# Allegro board RK_EVB7_RK3588_LP4XD200P232SD8_V11_20230111YWQ.brd (continued)
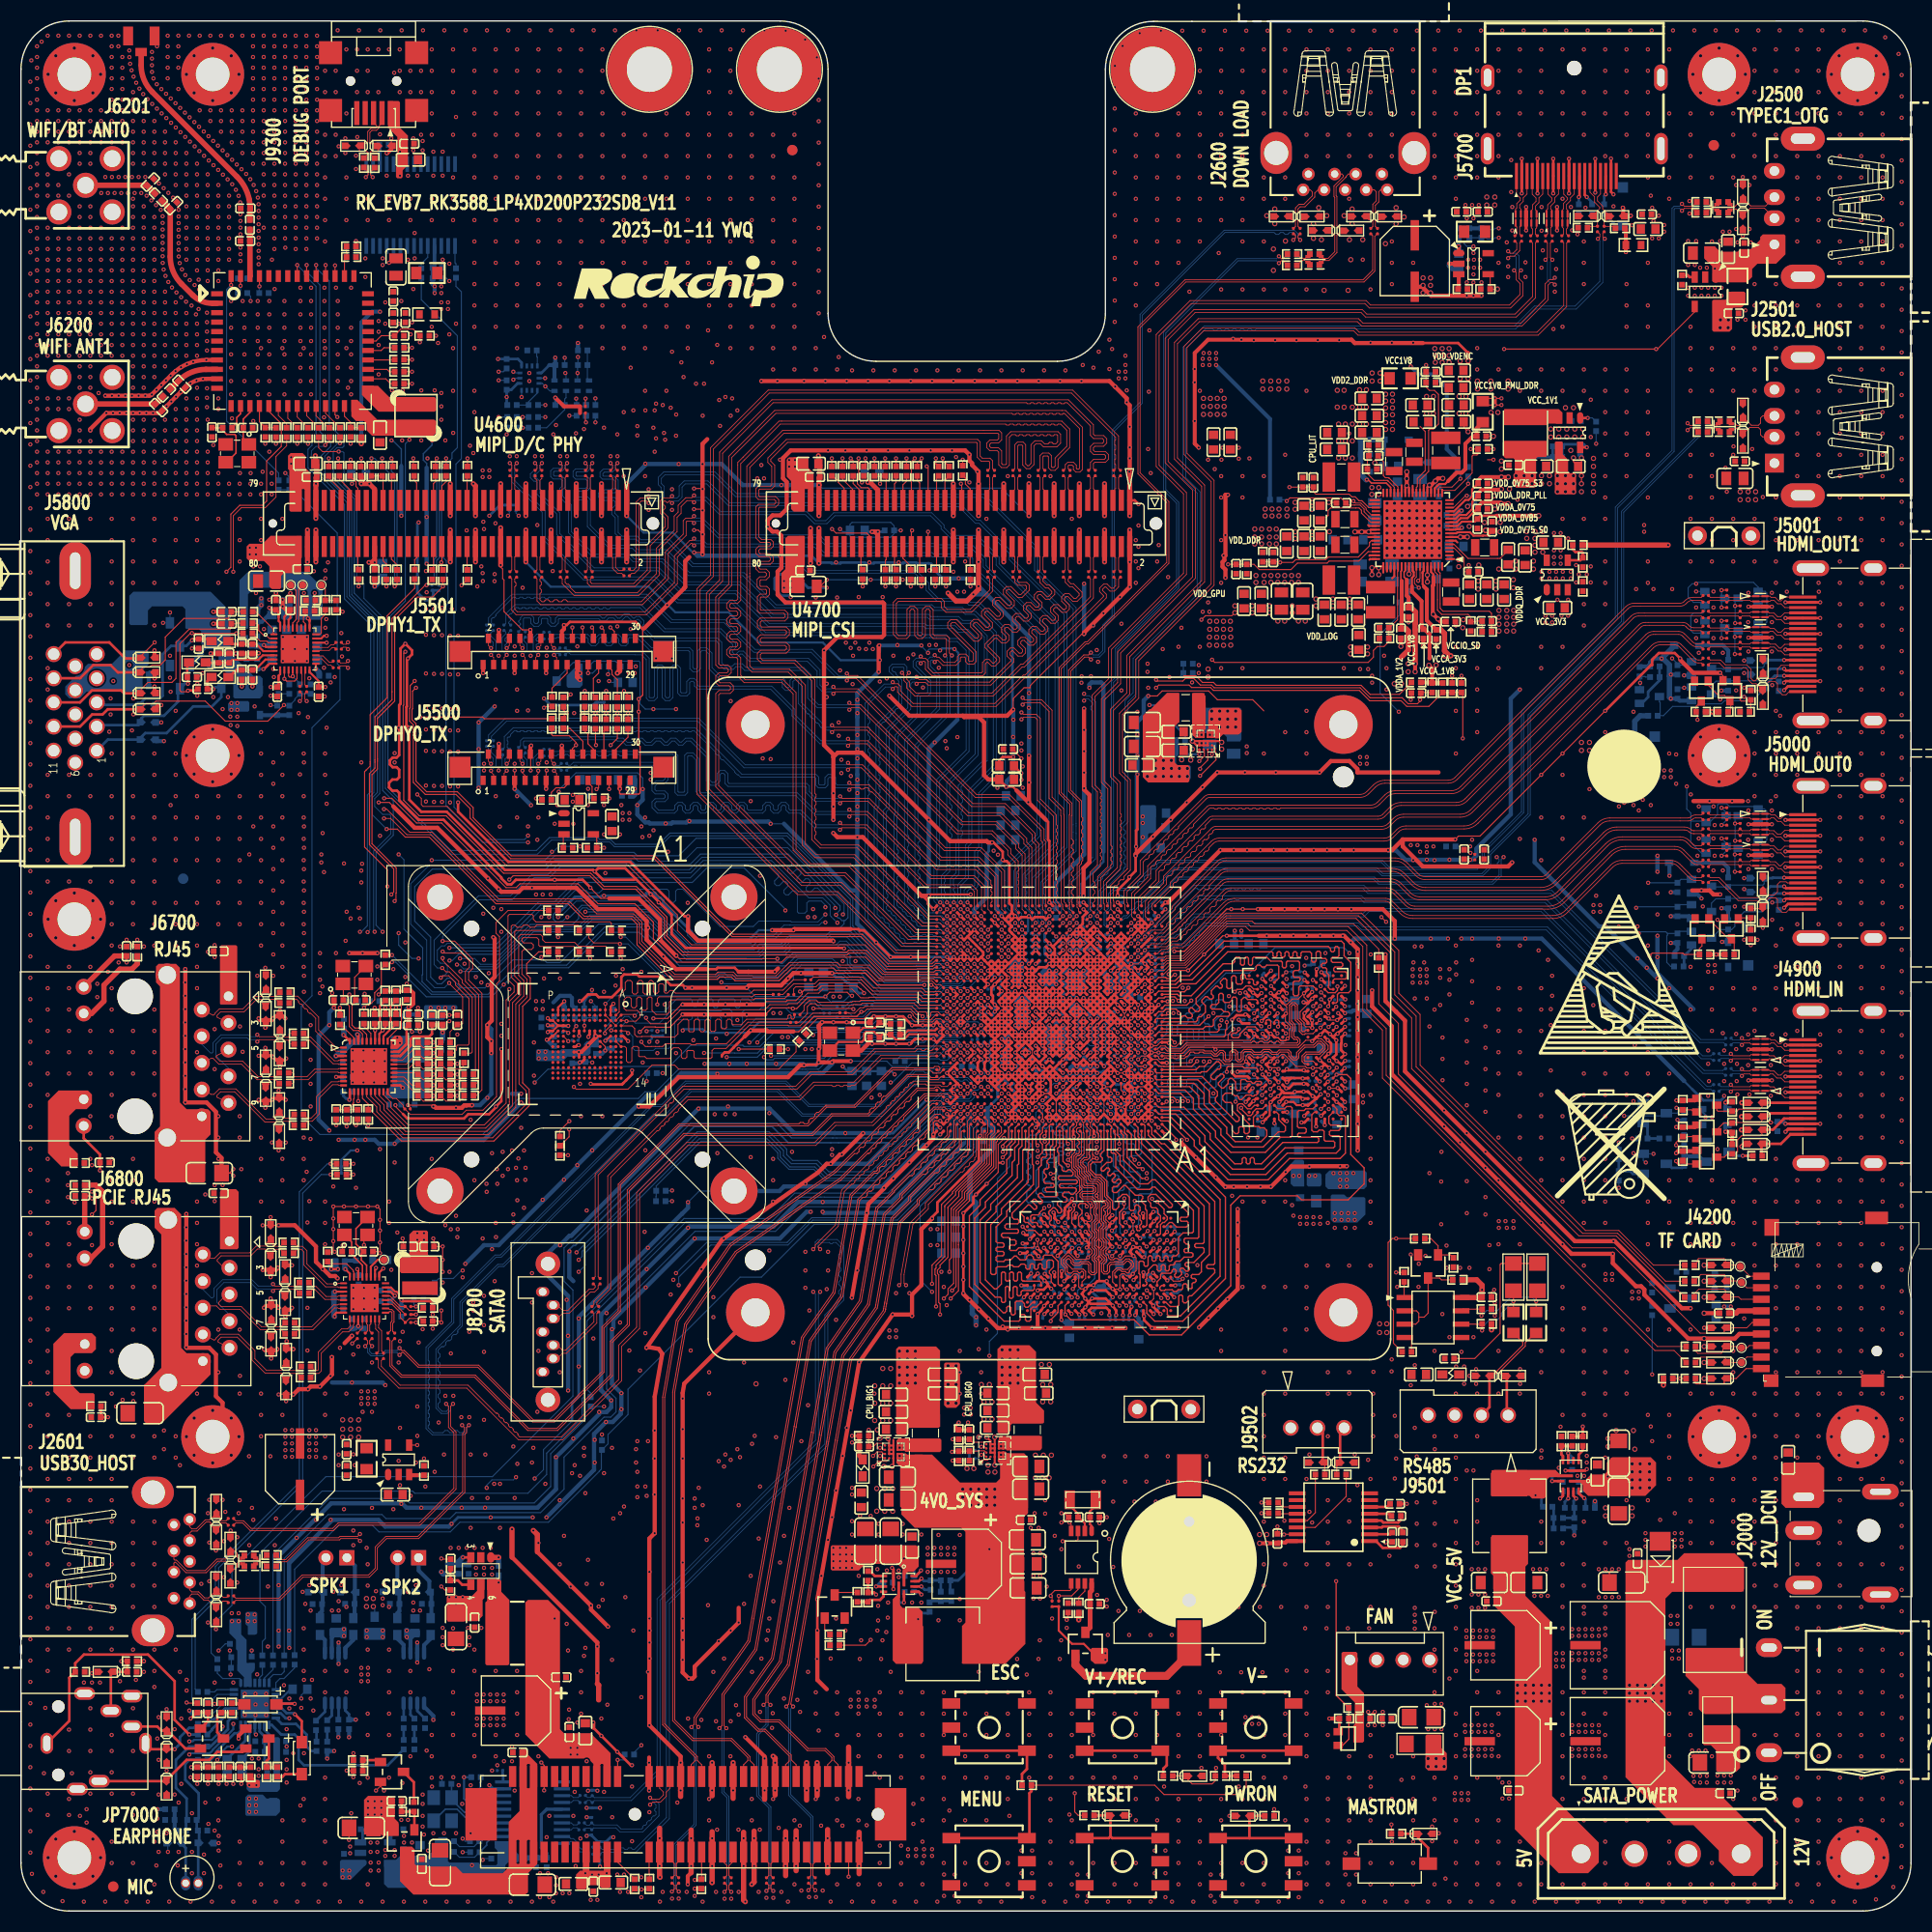
[diagram p0: board, top side]
## Routing (per net, layer and track width the routed paths; a pad name or vN(x,y) marks a point on that pad's centre or on a via; arc(x,y) is an arc through that point) (continued)
  BOTTOM w0.381: R7013.1 v1(12.98,9.69)
  BOTTOM w0.508: C7005.1 R7000.1 24.35,14.25 24.34,14.26 C7014.1 C7015.1
  vias: v1(22.42,11.98)
VCCA_1V8_S0: length 33.6
  TOP w0.203: U2200.60 132.54,127.63 132.59,127.58 132.59,127.57 132.64,127.52 132.64,127.15 132.47,126.98 132.47,126.15
  TOP w0.254: v1(97.94,91.5) U1000.AH18 ; U1000.N27 v1(92.08,81.77) 91.77,81.45 U1000.M27 v1(92.09,81.1) U1000.L27 U1000.K27 v1(92.09,79.8) ; U1000.AG13 v1(100.54,91.5) 100.22,91.18 U1000.AG14 v1(99.89,91.5) ; v1(99.22,79.82) 99.22,79.82 U1000.K16 ; U1000.H23 94.37,78.83 v1(94.04,78.5) U1000.G23 ; U1000.AG11 102.17,91.18 102.17,91.18 U1000.AG11 ; U1000.AG11 v1(101.84,91.5) ; U1000.U18 v1(97.94,85) ; U1000.M12 v1(101.84,81.75)
  TOP w0.381: R1500.2 R1511.1 ; R1500.2 134.39,118.34 v2(134.09,118.64) ; R1500.2 134.33,117.01 R1508.1 ; 132.47,126.15 132.47,125.66 133.38,124.75 133.38,122.43 133.38,122.42 133.38,122.26 C2253.1 133.65,122.08 134.04,121.7 134.04,121.7 134.15,121.59 134.15,120.77 134.15,120.77 134.15,119.3 134.14,119.29
  L6-S2 w0.089: v1(100.54,91.5) v1(101.84,91.5)
  L6-S2 w0.381: v1(92.08,81.77) 92.09,81.75 v1(92.09,81.1)
  BOTTOM w0.089: 94.62,77.33 94.63,77.33 C1813.1
  BOTTOM w0.254: 92.1,81.1 92.31,80.89 92.31,80.89 C1808.1 C1804.1 92.43,80.14 v1(92.09,79.8) 92.73,79.16 93.62,79.16 94.04,78.74 v1(94.04,78.5) 94.16,78.5 ; 92.1,81.1 v1(92.09,81.1) ; 92.1,81.1 92.46,81.46 C1816.1 92.16,81.77 v1(92.08,81.77) 92.38,82.07 C1104.1 ; C1812.1 94.44,78.78 94.16,78.5 ; C1501.1 98.23,91.2 98.22,91.2 97.94,91.48 v1(97.94,91.5) ; C1109.1 97.74,84.8 v1(97.94,85) ; 94.62,77.33 94.62,78.04 C1800.1 94.16,78.5 ; v1(99.22,79.82) 99.19,79.82 98.84,80.17 C1217.1 98.32,80.17 98.07,79.92 ; v1(101.84,81.75) 101.85,81.75 C1214.1
  vias: v1(133.25,100.88) v1(133.88,101.39) v1(133.88,100.83) v1(134.52,101.39) v2(134.77,118.66)
VCCA_3V3_S0: length 68.6
  TOP w0.104: v1(130.01,94.21) v1(129.57,94.66)
  TOP w0.203: 133.61,126.13 133.61,126.23 133.49,126.36 133.49,127.42 133.49,127.52 133.59,127.62 U2200.63
  TOP w0.254: U1000.AE5 106.07,89.88 v1(106.39,89.55) U1000.AE4 ; v1(102.49,92.8) 102.82,92.48 U1000.AJ10
  TOP w0.381: C2257.1 133.89,122.91 133.89,125.86 133.61,126.13
  TOP w0.508: 136.04,119.55 135.57,120.02 135.57,121.67 135.21,122.03 C2257.1 ; 136.04,119.55 v2(135.57,119.55) ; 136.04,119.55 v1(136.17,119.55)
  L3-POWER1 w0.104: v1(137.82,11.22) v1(137.19,11.22) v1(137.19,10.58) v1(137.82,10.58)
  L3-POWER1 w0.381: 103.02,93.64 103.02,93.18 102.64,92.8 v1(102.49,92.8)
  L3-POWER1 w0.762: v1(129.82,119.55) 129.34,119.07 129.34,118.07 129.44,117.97 129.44,116.73 129.34,116.63 129.34,112.54 130.07,111.8 130.07,102.15 129.49,101.57 129.49,94.73 v1(129.57,94.66) v1(130.01,94.21)
  L6-S2 w0.711: 125.25,119.07 126.28,119.07 126.37,118.98 129.25,118.98 v1(129.82,119.55)
  L6-S2 w0.762: v1(129.82,119.55) v2(135.57,119.55) v1(136.17,119.55) ; v2(113.06,118.28) v2(113.06,117.52) 122.33,117.52 123.88,119.07 125.25,119.07
  BOTTOM w0.254: v1(102.49,92.8) 102.69,93 C1410.1 ; C1740.1 106.39,89.38 v1(106.39,89.55) 106.4,89.55 C1741.1
  BOTTOM w0.508: R2139.1 v1(149.9,39.02)
  vias: v1(21.74,10.71) v1(21.74,10.07) v1(21.74,9.44) v1(22.38,10.71) v1(22.38,10.07) v1(22.38,9.44) v1(136.55,11.22) v1(136.55,10.58) v1(149.76,95.8) v1(149.76,95.16) v1(150.39,95.8) v1(150.39,95.16)
VCCIO_PHY0: length 12.4
  TOP w0.203: R6728.1 v1(41.55,79.67) ; R6726.1 v1(41.55,80.69) ; R6731.1 v1(41.55,78.65) ; R6722.1 v1(41.55,77.64)
  TOP w0.254: U6700.28 36.11,81.43 36.13,81.46 36.15,81.46 37.01,82.32 37.01,82.33 37.11,82.43 37.11,83.03 37.36,83.28 38.89,83.28 39.14,83.53 C6709.1 ; R6734.1 v1(33.07,74.83)
  TOP w0.381: C6709.1 C6708.1 v1(40.16,83.67)
  BOTTOM w0.381: C6707.1 40.16,83.04
  BOTTOM w0.508: 40.16,83.04 v1(40.16,83.67) 40.16,84.17 R6727.2
VCCIO_SD_S0: length 7.1
  TOP w0.203: 134.52,127.04 134.52,127.3 134.29,127.53 U2200.65
  TOP w0.254: v1(105.09,86.3) 104.9,86.5 U1000.Y7
  TOP w0.381: 134.52,127.04 134.52,126.28 134.46,126.22 134.46,123.55 v2(134.5,123.5) v2(134.96,123.04) 135.2,122.8 C2259.1
  BOTTOM w0.254: C1302.1 v1(105.09,86.3)
VCCIO_WL: length 14.4
  TOP w0.508: R6214.1 v1(32.41,139.74)
  BOTTOM w0.381: v1(32.41,139.74) 32.41,151.3 33.43,152.31 v1(34.19,152.31)
VDD2_DDR_S3: length 71.5
  TOP w0.102: U2200.30 131.14,135.63 130.3,136.47 130.27,136.47 130.23,136.5 129.94,136.5 129.76,136.69 129.76,138.02 129.25,138.53 C2216.1
  TOP w0.254: U3800.H5 v1(120.5,84.19) ; v1(115.85,79.92) 115.91,79.98 U3800.R1 ; v1(102.13,56.81) 102.07,56.81 U3801.N12 101.96,57.44 103.38,57.44 U3801.K12 v1(103.65,56.76) ; v1(118.19,80.91) U3800.N3 ; v1(100.79,56.8) 100.77,56.8 U3801.R12 ; v1(95.4,63.58) U3801.AB4 ; U3801.H5 104.95,62.67 v1(104.67,62.4) ; v1(100.63,62.39) 100.4,62.63 U3801.R5 ; U3800.A4 v1(119.02,88.74) ; U3800.H8 122.57,84.64 122.18,85.02 122.18,85.45 v1(122.24,85.5) U3800.F8 ; U3800.R8 122.27,79.98 v1(122.17,80.08) 120.65,80.08 v1(120.55,80.18) 120.35,79.98 U3800.R5 ; U3801.F8 v1(105.96,60.09) ; v1(101.5,66.33) 101.7,66.14 U3801.N1 ; U3801.K3 103.65,64.36 103.89,64.12 v1(103.89,64.06) ; v1(123.39,89.7) 123.37,89.68 U3800.A9 ; U3801.N10 v1(102.03,59.11) 103.31,59.11 U3801.K10 v1(103.97,58.45) ; U3800.N10 v1(124.53,81.64) 124.76,81.88 124.76,82.63 v1(124.46,82.94) U3800.K10 ; U3801.N3 v1(101.38,64.69) ; v1(100.24,60.01) 100.4,60.17 U3801.R8 ; U3800.H12 v1(126.09,84.85) ; v1(116.64,83.56) U3800.K1 ; U3800.F5 v1(119.84,86.15) ; v1(100.51,66.41) 100.51,66.39 100.4,66.28 U3801.R1 ; U3801.H8 v1(105.27,60.05) ; U3801.A9 v1(109.93,59.58) ; v1(103.93,66.26) U3801.K1 ; v1(117.34,80.91) U3800.N1 ; U3801.H1 104.95,66.36 v1(105.05,66.46) ; U3800.H1 116.32,84.53 v1(115.98,84.88) ; U3800.U5 v1(120.5,78.35) 120.75,78.35 121.18,78.78 v1(122.17,78.78) 122.47,78.78 U3800.U8 ; v1(123.34,74.72) 123.34,75.4 U3800.AB9 ; v1(106.96,62.27) 106.76,62.27 U3801.F5 ; v1(126.09,83.55) U3800.K12 125.77,82.67 125.73,82.63 125.73,81.98 v1(126.1,81.61) U3800.N12 ; U3800.AB4 v1(119.37,75.02) ; v1(99.12,60.93) 99.1,60.91 U3801.U8 ; U3801.A4 v1(109.82,63.9) ; U3801.AB9 v1(95.28,59.58) ; U3800.R12 v1(126.05,80.26) ; v1(118.24,83.55) 118.27,83.52 118.27,83.52 U3800.K3 ; U3801.H12 v1(104.95,56.76) ; U3801.U5 v1(98.72,62.41)
  BOTTOM w0.254: C3863.1 109.87,63.95 v1(109.82,63.9) ; v1(123.34,74.72) 123.32,74.74 123.32,75.2 C3822.1 ; 125.19,82.21 125.31,82.08 125.63,82.08 v1(126.1,81.61) ; 125.19,82.21 125.19,82.21 v1(124.46,82.94) ; 125.19,82.21 C3811.1 125.19,82.13 124.69,81.64 v1(124.53,81.64) ; v1(122.17,80.08) 121.67,80.08 121.44,80.3 121.44,80.77 C3809.1 120.93,80.75 120.93,80.56 v1(120.55,80.18) ; C3813.1 123.94,90.18 123.47,89.7 v1(123.39,89.7) ; C3855.1 102.9,58.08 102.03,58.94 v1(102.03,59.11) ; C3855.1 102.13,57.13 v1(102.13,56.81) ; C3855.1 103.41,57.89 v1(103.97,58.45) ; C3861.1 104.93,60.4 v1(105.27,60.05) ; v1(126.09,84.85) 126.24,85 C3815.1 ; C3820.1 117.33,80.52 117.33,80.9 v1(117.34,80.91) ; C3814.1 116.87,83.33 v1(116.64,83.56) ; C3819.1 126.29,83.36 v1(126.09,83.55) ; R3807.2 116.1,79.8 115.98,79.92 v1(115.85,79.92) ; v1(99.12,60.93) 99.27,61.09 C3856.1 99.27,61.86 v1(98.72,62.41) ; v1(95.4,63.58) 95.66,63.32 C3860.1 ; C3865.1 103.73,56.67 v1(103.65,56.76) ; R3816.1 105.44,66.51 105.1,66.51 v1(105.05,66.46) ; v1(104.67,62.4) 104.67,61.57 C3854.1 ; R3806.1 v1(115.98,84.88) ; v1(103.89,64.06) 103.77,64.06 C3859.1 ; C3857.1 95.6,59.28 95.3,59.58 v1(95.28,59.58) ; C3810.1 119.47,74.91 v1(119.37,75.02) ; C3817.1 118.27,83.5 118.24,83.52 v1(118.24,83.55) ; C3862.1 105,56.7 v1(104.95,56.76) ; v1(100.63,62.39) 100.89,62.65 C3868.1 ; C3823.1 126.49,80.41 126.2,80.41 v1(126.05,80.26) ; v1(100.24,60.01) 100.63,60.4 C3858.1 ; C3867.1 110.37,59.65 109.99,59.65 v1(109.93,59.58) ; v1(100.79,56.8) 100.79,56.8 C3864.1 ; C3812.1 120.71,83.99 v1(120.5,84.19) ; R3817.2 100.51,66.26 v1(100.51,66.41) ; v1(106.96,62.27) 107.08,62.39 C3866.1 ; v1(119.02,88.74) 119.07,88.69 C3818.1
  BOTTOM w0.305: v1(122.24,85.5) 122.56,85.82 C3816.1 ; v1(120.5,78.35) 120.62,78.35 121.06,78.78 C3821.1 121.31,78.78 v1(122.17,78.78)
  vias: v1(124.99,70.27) v1(125.63,70.27) v1(125.63,69.64) v1(125.63,69) v1(126.26,70.27) v1(126.26,69.64) v1(126.26,69) v1(126.9,70.27) v2(129.96,144.46) v2(129.96,143.81) v2(129.96,143.15) v2(129.96,142.5) v2(129.96,141.75) v2(129.96,141.1) v2(130.62,144.46) v2(130.62,143.81) v2(130.62,143.15) v2(130.62,142.5) v2(130.62,141.75) v2(130.62,141.1)
VDD10_PHY0: length 18.7
  TOP w0.254: U6700.21 36.12,78.63 v1(36.35,78.4) ; U6700.3 v1(30,81.43) ; U6700.38 32.12,83.39 32.03,83.48 v1(32.04,83.48) ; U6700.8 v1(30.01,79.43)
  L6-S2 w0.508: v1(32.04,83.48) 32.04,83.23 30.24,81.43 v1(30,81.43) ; v1(36.35,78.4) 36.16,78.21 31.24,78.21 v1(30.01,79.43)
  BOTTOM w0.254: C6722.1 30.67,79.43 v1(30.01,79.43) ; v1(36.35,78.4) 36.16,78.21 35.58,78.21 C6719.1
  BOTTOM w0.508: v1(30,81.43) 30.34,81.77 C6721.1 30.63,81.83 31.52,82.72 32.06,82.72 C6723.1 32.11,83.41 v1(32.04,83.48)
VDD10_PHY1:
  vias: v1(37.74,64.56) v1(37.74,63.92) v1(38.38,64.56) v1(38.38,63.92)
VDD10_RTL: length 7.6
  TOP w0.203: v1(29.87,56.62) 29.87,56.81 30.05,56.98 U6800.8 ; v1(32.03,61.13) 32.12,61.04 U6800.30 ; v1(35.61,58.61) 35.57,58.61 35.19,58.98 U6800.22 ; U6800.3 v1(29.89,58.98)
  BOTTOM w0.254: C6810.1 35.61,58.54 v1(35.61,58.61) 35.2,59.01 35.2,59.07 35.18,59.1 C6811.1
  BOTTOM w0.508: v1(29.87,56.62) 29.8,56.69 C6806.1 C6809.1 29.8,58.9 v1(29.89,58.98)
VDD_0V75_S0: length 125
  TOP w0.203: C2271.1 139.69,131 139.24,131 139.22,130.98 138.33,130.98 137.99,131.31 136.95,131.31 136.94,131.3 136.79,131.3 136.7,131.21 U2200.8
  TOP w0.254: U1000.AB25 v1(93.39,87.6) U1000.AA25 ; U1000.AH10 v1(102.49,92.15) ; U1000.AD3 v1(107.69,89.55) ; U1000.AG20 96.32,91.18 v1(96.64,91.5) U1000.AG19 ; U1000.H24 93.72,78.83 v1(93.39,78.5) U1000.G24 ; v1(96.64,85) U1000.V20 ; U1000.AE8 v1(103.79,89.55)
  TOP w0.508: 140.32,131.47 139.51,131.47 v2(139.48,131.5)
  L3-POWER1 w0.104: v1(90.96,56.56) v1(90.96,55.79)
  L3-POWER1 w0.762: v1(89.18,125.64) v1(89.81,125.64) 89.81,124.5 90.7,123.61 90.7,117.64 89.94,116.88 89.94,107.61 94.13,103.42
  L6-S2 w0.086: 104.8,87.04 105.43,87.04 105.69,87.3 105.69,88.01 105.75,88.07 ; 104.8,87.04 104.77,87.07 104.77,88.59 104.13,89.23 104.12,89.23 ; 104.8,87.04 104.55,87.04 104.12,87.47 104.12,89.23 ; 104.55,87.04 103.02,87.04 ; 103.02,87.04 102.6,87.04 102.17,87.47 102.17,91.83 v1(102.49,92.15) 102.82,91.83 102.82,87.24 103.02,87.04 ; 104.12,89.23 v1(103.79,89.55) ; 105.75,88.07 106.91,89.23 107.37,89.23 v1(107.69,89.55) 107.37,89.88 106.91,89.88 106.72,89.68 106.72,89.33 105.75,88.37 105.75,88.07
  L6-S2 w0.381: v1(107.69,89.55) 108.59,89.55 109.75,90.72 110.13,90.72 113.56,94.15
  L6-S2 w0.762: 113.56,94.15 117.12,94.15 117.63,93.64 128.17,93.64 129.95,91.86 v1(132.74,91.86) v1(133.38,91.86) ; v1(89.18,125.64) 89.31,125.52 89.31,124.25 89.31,125.14 v1(89.81,125.64)
  BOTTOM w0.254: v1(96.64,85) 96.82,84.83 C1106.1 ; C1602.1 96.87,91.73 v1(96.64,91.5) ; v1(107.69,89.55) 107.71,89.57 C1505.1 C1105.1 C1619.1 ; C1616.1 96.28,91.86 v1(96.64,91.5) ; C1802.1 93,78.14 93.03,78.17 93.06,78.17 v1(93.39,78.5) 93.12,78.78 C1814.1 92.99,78.77 92.99,78.15 C1802.1 ; C1802.1 93,78.04 92.99,78.02 92.99,77.38 92.02,76.42 ; v1(103.79,89.55) 104.12,89.23 C1738.1 ; C1601.1 96.25,91.24 96.5,91.48 96.62,91.48 v1(96.64,91.5) ; v1(102.49,92.15) 102.71,92.37 C1408.1 ; C1609.1 97.05,91.1 v1(96.64,91.5) ; C1615.1 93.16,87.25 93.39,87.48 v1(93.39,87.6)
  BOTTOM w0.508: 92.02,76.42 92.02,75.17 92.55,74.65 C1803.1 C1815.1 92.55,72.63 90.38,70.45 90.38,68 90.91,67.46 90.91,57.96 90.59,57.64 90.59,56.92 v1(90.96,56.56) v1(90.96,55.79)
  vias: v2(140.87,131.36)
VDD_0V75_S3: length 60.4
  TOP w0.203: U2200.14 136.48,133.31 137.55,134.38 137.86,134.38 138.2,134.73 138.2,135.39 C2262.1
  TOP w0.254: U1000.P27 v1(92.08,82.42)
  TOP w0.381: C2262.1 138.77,136.24 139.09,136.57 v2(141,136.57) v2(141.65,136.57)
  L3-POWER1 w0.203: v1(65.05,145.46) 64.92,145.33 64.41,145.33 v1(64.29,145.46)
  L6-S2 w0.762: v1(64.29,145.46) v1(65.05,145.46) 68.86,145.46 69.75,144.57 101.12,144.57 105.56,140.12 109.5,140.12 109.88,140.5 112.29,140.5
  BOTTOM w0.254: C1110.1 92.35,82.69 ; 92.35,82.69 v1(92.08,82.42) ; 92.35,82.69 92.51,82.85 C1111.1
VDD_CPU_BIG0_S0: length 70.9
  TOP w0.102: U2300.A4 91.74,44.65 90.61,44.65 C2304.2 R2300.2 v1(88.73,44.93)
  TOP w0.254: v1(99.24,84.35) 98.92,84.03 U1000.T16 ; U1000.R17 v1(98.59,83.05) ; U1000.R17 98.27,83.38 v1(97.94,83.05) U1000.P17 ; U1000.R17 v1(97.94,83.7) 98.27,84.03 U1000.T17 ; U1000.R17 U1000.T16 ; v1(98.59,83.05) 98.27,82.73 U1000.P17 ; v1(98.59,83.05) 98.92,83.38 U1000.R16 ; v1(98.59,83.05) U1000.P16 ; U1000.N16 98.92,82.08 U1000.M17 98.27,81.43 v1(97.94,81.75) 98.27,82.08 U1000.N17 ; U1000.N16 v1(99.24,81.75) U1000.M16 U1000.N17 ; U1000.N16 98.92,82.08 v1(99.24,82.4) U1000.P16 ; U1000.N16 U1000.P17 ; v1(89.31,46.52) 89.05,46.27 89.05,45.83 R2300.1 C2304.1 ; U1000.P16 98.92,82.73 v1(99.24,83.05) U1000.R16 ; U1000.P16 U1000.N17 ; U1000.R16 98.92,83.38 v1(99.24,83.7) U1000.T16 ; U1000.R16 U1000.T17 ; U1000.P17 98.27,82.73 v1(97.94,82.4) U1000.N17 ; U1000.T16 98.61,84.34 98.58,84.34 U1000.T17 ; U1000.T17 v1(97.94,84.35) ; U1000.M19 v1(96.64,81.75) U1000.N19 v1(96.64,82.4)
  L4-GND2 w0.089: 99.57,74.99 99.57,76.69 99.38,76.88 99.11,76.88 98.92,77.07 98.92,79.67 98.9,79.69 98.9,79.96 98.92,79.97 98.92,80.88 98.96,80.92
  L4-GND2 w0.102: v1(88.73,44.93) 89.69,45.89 93.5,45.89 95.78,48.17 95.78,55.03 95.4,55.42 95.4,55.67 95.18,55.89 95.16,55.89 95.13,55.92 94.89,55.92 93.12,57.7 93.12,64.94 97.56,69.38 98.45,69.38 98.93,69.86 98.93,73.67 99.57,74.31 99.57,74.99
  BOTTOM w0.089: v1(96.64,82.4) 96.64,82.39 ; 96.96,82.08 C1023.1
  BOTTOM w0.254: C1023.1 96.96,82.07 v1(96.64,81.75) 96.93,81.47 C1010.1 ; 96.64,82.39 96.96,82.08
  vias: v1(86.64,64.94) v1(86.64,63.41) v1(87.27,64.94) v1(87.27,63.41) v1(90.2,46.52) v2(93.43,53.45) v2(93.43,52.56) v2(93.43,51.79) v2(93.43,51.03) v2(93.43,50.27) v2(94.2,53.45) v2(94.2,52.56) v2(94.2,51.79) v2(94.2,51.03) v2(94.2,50.27) v2(94.96,53.45) v2(94.96,52.56) v2(94.96,51.79) v2(94.96,51.03) v2(94.96,50.27)
VDD_CPU_BIG1_MEM_S0: length 12.7
  TOP w0.254: U1000.N21 v1(95.34,81.75) U1000.M21 v1(95.99,81.75) U1000.N21
  L6-S2 w0.086: 91.12,79.02 91.1,79.03 88.93,79.03 ; 91.12,79.02 91.12,78.27 91.03,78.18 90.59,78.18 ; 91.12,79.02 91.31,78.83 94.56,78.83 95.28,79.54 ; 91.47,80.56 91.12,80.21 91.12,79.57 91.08,79.54
  BOTTOM w0.254: C1051.1 95.99,81.99 v1(95.99,81.75) 95.58,82.16 C1083.1 95.53,81.94 v1(95.34,81.75)
  vias: v1(77.24,72.56) v1(77.24,72.01) v1(79.15,40.3) v1(79.15,39.66)
VDD_CPU_BIG1_S0: length 85.1
  TOP w0.102: U2301.A4 82.07,44.54 81.48,44.54 81.18,44.24 C2310.2 R2301.2 v1(80.74,45.83)
  TOP w0.203: 84.35,49.57 v2(83.65,50.27) ; 84.35,49.57 84.35,50.21 v2(84.42,50.27) ; 84.35,49.57 84.35,48.84 ; R2301.1 v1(79.15,45.25)
  TOP w0.254: U1000.P24 v1(94.04,83.05) ; U1000.P24 U1000.N23 v1(94.04,81.75) ; U1000.P24 v1(93.39,83.05) ; U1000.P24 93.72,82.73 v1(94.04,83.05) ; v1(94.04,83.05) U1000.P23 U1000.N24 ; U1000.M24 93.72,81.43 v1(93.39,81.75) 93.72,82.08 U1000.N24 ; U1000.M24 v1(94.04,81.1) ; U1000.M24 v1(94.04,81.75) ; U1000.M24 v1(93.39,81.1) U1000.L24 ; U1000.L23 v1(94.04,81.1) ; U1000.L23 v1(94.04,80.45) ; U1000.L23 94.37,80.78 v1(94.69,80.45) U1000.K23 v1(94.04,80.45) ; v1(94.04,81.1) U1000.M23 v1(94.04,81.75) ; v1(94.04,81.1) U1000.L24 ; v1(94.04,80.45) 93.72,80.78 U1000.L24 ; v1(94.04,80.45) U1000.K24 v1(93.39,80.45) U1000.L24 ; v1(94.04,81.75) U1000.N24
  TOP w0.381: R2301.1 C2310.1 79.84,43.33 FB2300.1
  L4-GND2 w0.089: v1(93.39,80.45) 93.12,80.18 91.85,80.18 91.85,80.02 91.77,79.94 91.77,79.67 91.58,79.48 91.31,79.48 90.47,78.64 90.47,78.37 90.28,78.18 90.26,78.18 90.26,78.18 90.01,78.18 89.82,77.99 89.82,77.74 89.82,77.74 89.82,77.72 89.63,77.53 89.45,77.53 89.17,77.24 89.17,75.12 89.18,75.11 89.18,74.97
  L4-GND2 w0.102: 89.18,74.97 89.18,74.59 81.81,67.22 81.81,57.57 82.64,56.75 82.64,56.65 82.86,56.43 82.96,56.43 86.13,53.25 86.13,47.41 84.99,46.27 81.18,46.27 v1(80.74,45.83)
  L4-GND2 w0.381: v1(94.69,80.45) v1(94.04,80.45)
  BOTTOM w0.203: v1(83.2,79.68) 82.89,79.99 C1032.1 C1033.1 C1081.1 78.7,79.99 v1(78.26,80.43)
  BOTTOM w0.254: v1(94.04,81.1) 93.87,81.28 C1028.1 93.87,81.58 v1(94.04,81.75) ; v1(94.04,81.1) v1(93.39,81.1) ; v1(94.04,81.1) v1(94.04,80.45) ; v1(93.39,81.1) v1(93.39,80.45) C1027.1 93.72,80.13 v1(94.04,80.45) ; v1(93.39,81.1) v1(93.39,81.75) v1(94.04,81.75) ; v1(94.04,83.05) 94.04,83.35 94.01,83.39 C1029.1 93.96,83.52 93.49,83.05 ; v1(94.04,83.05) 93.49,83.05 ; v1(94.04,83.05) 94.04,82.42 C1031.1 93.95,81.84 v1(94.04,81.75) ; v1(94.04,80.45) 94.04,80.45 C1025.1 94.37,80.13 v1(94.69,80.45) ; v1(94.69,80.45) C1024.1 ; v1(94.69,80.45) 94.78,80.45 95.26,80.94 C1030.1 ; 93.49,83.05 v1(93.39,83.05)
  vias: v1(79.15,44.62) v2(83.65,53.32) v2(83.65,52.56) v2(83.65,51.79) v2(83.65,51.03) v2(84.42,53.32) v2(84.42,52.56) v2(84.42,51.79) v2(84.42,51.03) v2(85.18,53.32) v2(85.18,52.56) v2(85.18,51.79) v2(85.18,51.03) v2(85.18,50.27)
VDD_CPU_LIT_S0: length 102
  TOP w0.102: v1(120.8,135.61) R2203.1 C2217.2 123.09,135.17 123.32,134.94 126.5,134.94 126.75,134.68 127.07,134.68 127.44,134.31 127.7,134.31 128.36,133.66 U2200.37
  TOP w0.254: U1000.V22 94.69,85.65 U1000.W22 ; U1000.V22 v1(95.34,85.65) ; U1000.V22 95.02,85.33 v1(94.69,85) U1000.U22 ; U1000.V22 v1(95.34,85) ; v1(95.34,84.35) U1000.T22 C1071.1 v1(94.69,84.35) U1000.U22 ; v1(95.34,84.35) 95.67,84.03 U1000.T21 v1(95.99,84.35) ; v1(95.34,84.35) 95.02,84.68 U1000.U22 ; v1(95.34,84.35) U1000.U21 v1(95.99,85) U1000.V21 ; U1000.W22 v1(94.69,86.3) U1000.Y22 v1(95.34,86.95) U1000.Y21 95.67,86.63 v1(95.99,86.3) 95.67,85.98 U1000.W21 ; U1000.W22 v1(95.34,85.65) ; U1000.W22 95.02,85.98 v1(95.34,86.3) U1000.W21 ; U1000.U22 v1(95.34,85) ; v1(95.34,85) U1000.V21 ; U1000.W21 v1(95.99,85.65) U1000.V21 ; U1000.W21 v1(95.34,85.65) ; U1000.V21 v1(95.34,85.65)
  TOP w0.305: v1(95.34,85) U1000.U21 95.67,84.68 v1(95.99,84.35) ; U1000.Y22 95.02,86.63 v1(95.34,86.3) U1000.Y21
  L4-GND2 w0.086: v1(95.99,86.3) 95.99,87.14 95.86,87.28
  L4-GND2 w0.089: 95.86,87.28 95.67,87.47 95.67,87.74 95.48,87.93 95.21,87.93 95.02,88.12 95.02,88.39 94.83,88.58 94.56,88.58 94.37,88.77 94.37,89.04 94.18,89.23 93.91,89.23 92.42,90.72 92.42,90.99 92.23,91.18 91.96,91.18 89.82,93.32 89.82,93.59 89.63,93.78 89.36,93.78 89.17,93.97 89.17,94.24 88.98,94.43 88.71,94.43 88.52,94.62 88.52,94.89 88.33,95.08 88.06,95.08 87.87,95.27 87.87,95.54 87.68,95.73 87.41,95.73 87.19,95.95 87.19,96.07
  L4-GND2 w0.102: v1(120.8,135.61) 120.55,135.35 118.32,135.35 114.13,131.16 105.83,131.16 105.77,131.1 105.42,131.1 105.35,131.16 103.43,131.16 103.37,131.1 103.02,131.1 102.95,131.16 101.56,131.16 98.77,128.38 98.77,128.33 98.55,128.1 98.5,128.1 87.23,116.84 87.23,113.2 87.39,113.04 87.39,111.46 87.4,111.45 87.4,111.14 87.39,111.12 87.39,111.02 87.19,110.83 87.19,96.07
  vias: v1(77.37,87.08) v1(77.99,87.08) v2(112.62,144.06) v2(112.62,143.3) v2(112.62,142.53) v2(113.27,144.06) v2(113.27,143.3) v2(113.27,142.53) v2(113.93,144.06) v2(113.93,143.3) v2(113.93,142.53) v2(114.58,144.06) v2(114.58,143.3) v2(114.58,142.53)
VDD_DDR_PLL_S0: length 139.1
  TOP w0.203: U2200.12 136.64,132.61 136.99,132.96 137.64,132.96 138.22,133.54 138.22,134.22 C2264.1
  TOP w0.254: U1000.N12 v1(101.19,81.75) ; v1(99.24,80.45) 99.57,80.78 U1000.L15
  TOP w0.381: C2264.1 138.77,135.02 139.11,135.36 140.94,135.36 v2(141,135.42)
  L4-GND2 w0.086: v1(101.19,81.75) 100.87,81.43 100.22,81.43 v1(99.24,80.45) 99.95,80.45 100.22,80.19 100.22,77.72 100.41,77.53 100.72,77.53 100.87,77.38 100.87,77.07 101.06,76.88 101.32,76.88 101.52,76.69 101.52,75.12 101.5,75.1 101.5,74.59
  L4-GND2 w0.762: v2(141,135.42) v2(141.76,135.42) 141.83,135.42 142.08,135.17 142.13,135.17 142.19,135.11 142.81,135.11 143.23,134.7 143.23,134.11 142.81,133.7 142.73,133.7 142.65,133.62 142.65,129.58 143.15,129.07 143.15,126.34 144.55,124.95 144.55,123.72 144.48,123.65 144.48,122.43 144.55,122.36 144.55,122.21 145.69,121.07 145.69,102.28 141.83,98.41 141.83,72.13 137.31,67.6 136.42,67.6 129.95,61.13 129.95,58.08 126.39,54.52 98.83,54.52
  BOTTOM w0.254: C1218.1 98.87,80.82 v1(99.24,80.45) ; v1(101.19,81.75) 101.19,81.8 C1215.1
VDD_DDR_S0: length 89.5
  TOP w0.102: U2200.46 128.6,130.51 128.44,130.34 128.44,130.32 128.42,130.3 128.42,130.01 127.36,128.95 124.5,128.95 124.26,128.7 121.4,128.7 121.13,128.44 v1(119.91,128.44) 119.86,128.5 C2205.2 R2200.2
  TOP w0.254: U1000.L17 v1(97.94,81.1) U1000.L18 ; v1(102.49,80.45) U1000.L11 v1(101.84,80.45) U1000.L12 ; v1(102.49,85) U1000.U11 ; U1000.U11 v1(101.84,85) ; U1000.U11 v1(101.84,84.35) U1000.T12 101.52,84.03 v1(101.84,83.7) U1000.R12 101.52,83.38 v1(101.84,83.05) U1000.P12 101.18,82.4 ; U1000.L12 101.26,80.52 101.13,80.52 U1000.L13 ; U1000.L12 101.19,81.1 100.87,80.78 U1000.L13 ; U1000.L13 v1(100.54,80.45) U1000.L14 ; 101.18,82.4 101.18,82.41 U1000.P13 v1(100.54,82.4) 100.87,82.08 U1000.N13 101.18,82.4
  L3-POWER1 w0.086: v1(102.49,85) 102.64,85 103.53,85.89
  L3-POWER1 w0.102: 103.53,85.89 104.29,86.65 108.74,86.65 110.54,88.46 110.54,95.95 113.8,99.21 113.8,102.06 121.06,109.31 121.06,116.88 122.83,118.66 122.83,127.8 122.2,128.44 v1(119.91,128.44)
  BOTTOM w0.254: 102.18,84.68 102.18,84.69 v1(102.49,85) 102.64,85.15 C1220.1 C1221.1 101.75,85.09 v1(101.84,85) 101.85,85 102.18,84.68 ; 102.18,84.68 102.17,84.68 v1(101.84,84.35) 101.85,84.35 C1223.1 102.17,84.03 v1(101.84,83.7) 101.85,83.7 C1231.1 102.17,83.38 v1(101.84,83.05) 101.85,83.05 C1225.1 ; v1(97.94,81.1) 97.78,80.94 C1224.1 ; 101.84,80.46 102.02,80.28 C1229.1 102.32,80.28 v1(102.49,80.45) ; v1(100.54,82.4) 100.78,82.16 C1228.1
  BOTTOM w0.381: 100.54,80.5 100.16,80.5 C1227.1 ; 100.54,80.5 100.7,80.34 101.26,80.34 C1226.1 101.7,80.31 101.84,80.46 v1(101.84,80.45) ; 100.54,80.5 v1(100.54,80.45)
  vias: v2(117.5,131.61) v2(117.5,130.85) v2(117.5,130.2) v2(118.15,131.61) v2(118.15,130.85) v2(118.15,130.2) v2(118.9,131.61) v2(118.9,130.85) v2(118.9,130.2) v2(119.55,131.61) v2(119.55,130.85) v2(119.55,130.2)
VDD_GPU_S0: length 82.8
  TOP w0.102: v1(114.96,128.25) C2206.2 R2201.1 117.43,128.25 117.93,127.75 120.95,127.75 121.57,128.37 124.4,128.37 124.59,128.56 127.41,128.56 128.3,129.46 U2200.49
  TOP w0.254: v1(99.89,87.6) 100.22,87.28 U1000.AA14 v1(100.54,87.6) ; v1(99.89,87.6) 99.57,87.93 U1000.AB15 v1(99.89,88.25) ; v1(99.89,87.6) U1000.AA15 ; v1(99.89,87.6) U1000.AB14 ; 101.2,88.25 101.19,88.25 U1000.AB13 ; 101.2,88.25 U1000.AB12 v1(101.19,87.6) ; 101.2,88.25 U1000.AC13 ; v1(100.54,88.25) U1000.AB14 ; v1(100.54,88.25) U1000.AC13 ; v1(100.54,88.25) U1000.AB13 ; v1(100.54,88.25) U1000.AC14 ; U1000.AB14 v1(100.54,87.6) ; U1000.AB14 100.22,87.93 v1(99.89,88.25) ; v1(99.89,88.9) 99.57,89.23 U1000.AD15 v1(99.89,89.55) 100.22,89.23 U1000.AD14 ; v1(99.89,88.9) U1000.AD14 ; v1(99.89,88.9) U1000.AC14 ; v1(99.89,88.9) U1000.AC15 v1(99.89,88.25) ; v1(101.19,87.6) U1000.AA13 v1(100.54,87.6) ; v1(101.19,87.6) U1000.AB13 ; v1(101.19,87.6) U1000.AA12 ; v1(101.19,89.55) U1000.AD13 ; U1000.AD13 v1(101.19,88.9) U1000.AC13 ; U1000.AD13 v1(100.54,89.55) U1000.AD14 ; U1000.AD13 v1(100.54,88.9) ; U1000.AC13 v1(100.54,88.9) ; U1000.AD14 v1(100.54,88.9) ; v1(100.54,88.9) U1000.AC14 ; U1000.AB13 v1(100.54,87.6) ; v1(99.89,88.25) U1000.AC14
  L4-GND2 w0.089: 99.59,90.59 99.55,90.63
  L5-POWER2 w0.089: 98.92,93.12 98.92,89.88 v1(99.89,88.9)
  L5-POWER2 w0.102: 98.92,93.12 98.91,93.13 98.91,94.99 99.09,95.16 99.09,98.72 106.07,105.7 109.55,105.7 111.79,107.94 111.79,109.38 111.83,109.43 111.83,109.79 111.79,109.83 111.79,109.9 111.68,110 111.68,110.17 111.98,110.48 111.98,110.6 112.04,110.66 112.04,111.53 112.04,111.53 112.04,111.62 111.76,111.9 111.67,111.9 111.07,112.49 111.07,122.9 112.37,124.2 113.13,124.2 113.2,124.26 113.32,124.26 113.42,124.36 113.42,124.49 115.34,126.41 115.34,127.87 v1(114.96,128.25)
  BOTTOM w0.254: 99.88,87.6 v1(99.89,87.6)
  vias: v1(106.83,104.23) v1(106.83,103.62) v1(106.83,102.28) v2(117.61,127.19) v2(117.61,126.53) v2(118.39,127.19) v2(118.39,126.53) v2(119.04,127.19) v2(119.04,126.53) v2(119.7,127.19) v2(119.7,126.53) v2(120.35,127.19) v2(120.35,126.53) v2(121.01,127.19) v2(121.01,126.53) v2(121.66,127.19) v2(121.66,126.53)
VDD_LOG_S0: length 79.7
  TOP w0.102: v1(113.44,119.17) 113.69,118.91 128.3,118.91 128.8,119.42 128.8,120.06 129.18,120.43 129.81,120.43 130.27,120.89 R2206.1 C2228.2 130.34,122.21 131.1,122.98 131.1,127.56 131.14,127.6 U2200.56
  TOP w0.203: v1(95.28,107.74) 95.28,108.36 v1(95.27,108.36) C1035.1
  TOP w0.254: U1000.AC17 v1(98.59,88.9) U1000.AD17 ; U1000.AC17 v1(98.59,88.25) ; U1000.AC17 v1(97.94,88.9) ; U1000.AC17 98.27,88.58 97.94,88.25 97.62,88.58 U1000.AC18 ; v1(97.29,88.9) U1000.AD18 ; v1(97.29,88.9) U1000.AC19 96.97,88.58 v1(97.29,88.25) U1000.AC18 ; v1(97.29,88.9) U1000.AC18 ; v1(97.29,88.9) 96.97,89.23 U1000.AD19 ; U1000.AD18 v1(97.94,88.9) ; U1000.AD18 v1(97.94,89.55) U1000.AD17 ; U1000.AD17 v1(97.94,88.9) ; U1000.AD17 v1(98.59,89.55) ; U1000.K20 v1(96.64,80.45) U1000.K19 ; v1(97.94,88.9) U1000.AC18 ; U1000.V16 98.92,85.33 v1(98.59,85.65) U1000.V17 v1(97.96,85.64)
  L4-GND2 w0.089: 99.47,95.29 99.47,95.16 99.55,95.08 99.55,94.9 99.57,94.89 99.57,91.37 99.38,91.18 99.11,91.18 99.11,91.18 98.92,90.99 98.92,89.88 v1(98.59,89.55)
  L4-GND2 w0.102: v1(113.44,119.17) 113.31,119.29 109.25,119.29 99.47,109.51 99.47,95.29
  BOTTOM w0.089: C1037.1 96.67,80.42 ; 98.27,85.98 C1041.1
  BOTTOM w0.254: C1037.1 96.64,79.83 v1(96.64,80.45) 97.09,80.01 C1040.1 ; v1(97.96,85.64) 97.96,85.67 98.27,85.98 98.27,85.98 v1(98.59,85.65) ; v1(97.29,88.25) 97.29,88.25
  vias: v2(113.18,121.33) v2(113.18,120.56) v2(113.21,122.83) v2(113.21,122.07) v2(113.87,122.83) v2(113.87,122.07) v2(113.87,121.31) v2(113.87,120.55) v2(114.52,122.83) v2(114.52,122.07) v2(114.53,121.31) v2(114.53,120.55) v2(115.18,122.83) v2(115.18,122.07) v2(115.21,121.33) v2(115.21,120.56)
